# Altium PCB Air_Logger_PCB_ver2.PcbDoc (part 1 of 2)
Units mm, origin at the board's own origin, x right, y up, seen from the top; angles counter-clockwise.
Board outline 118.49 x 71.12 mm, 2 copper layers (Top Layer, Bottom Layer); 145 components, 85 nets, 471 pads, 157 vias.
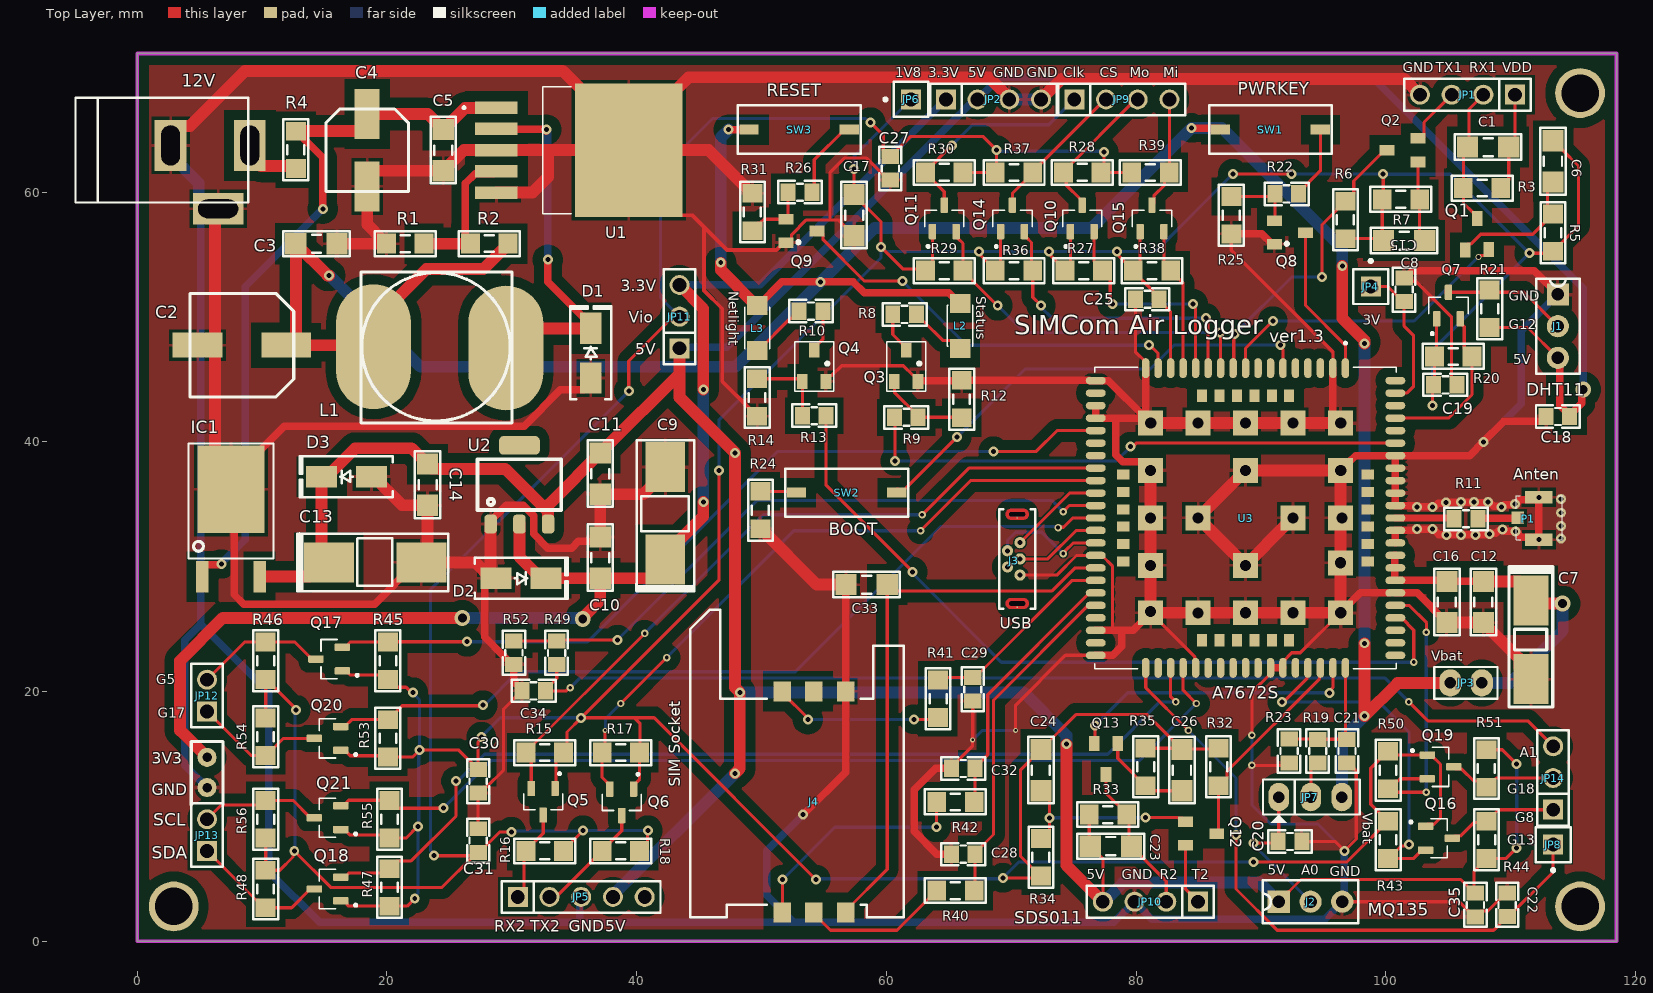
[diagram p0: Top Layer view]
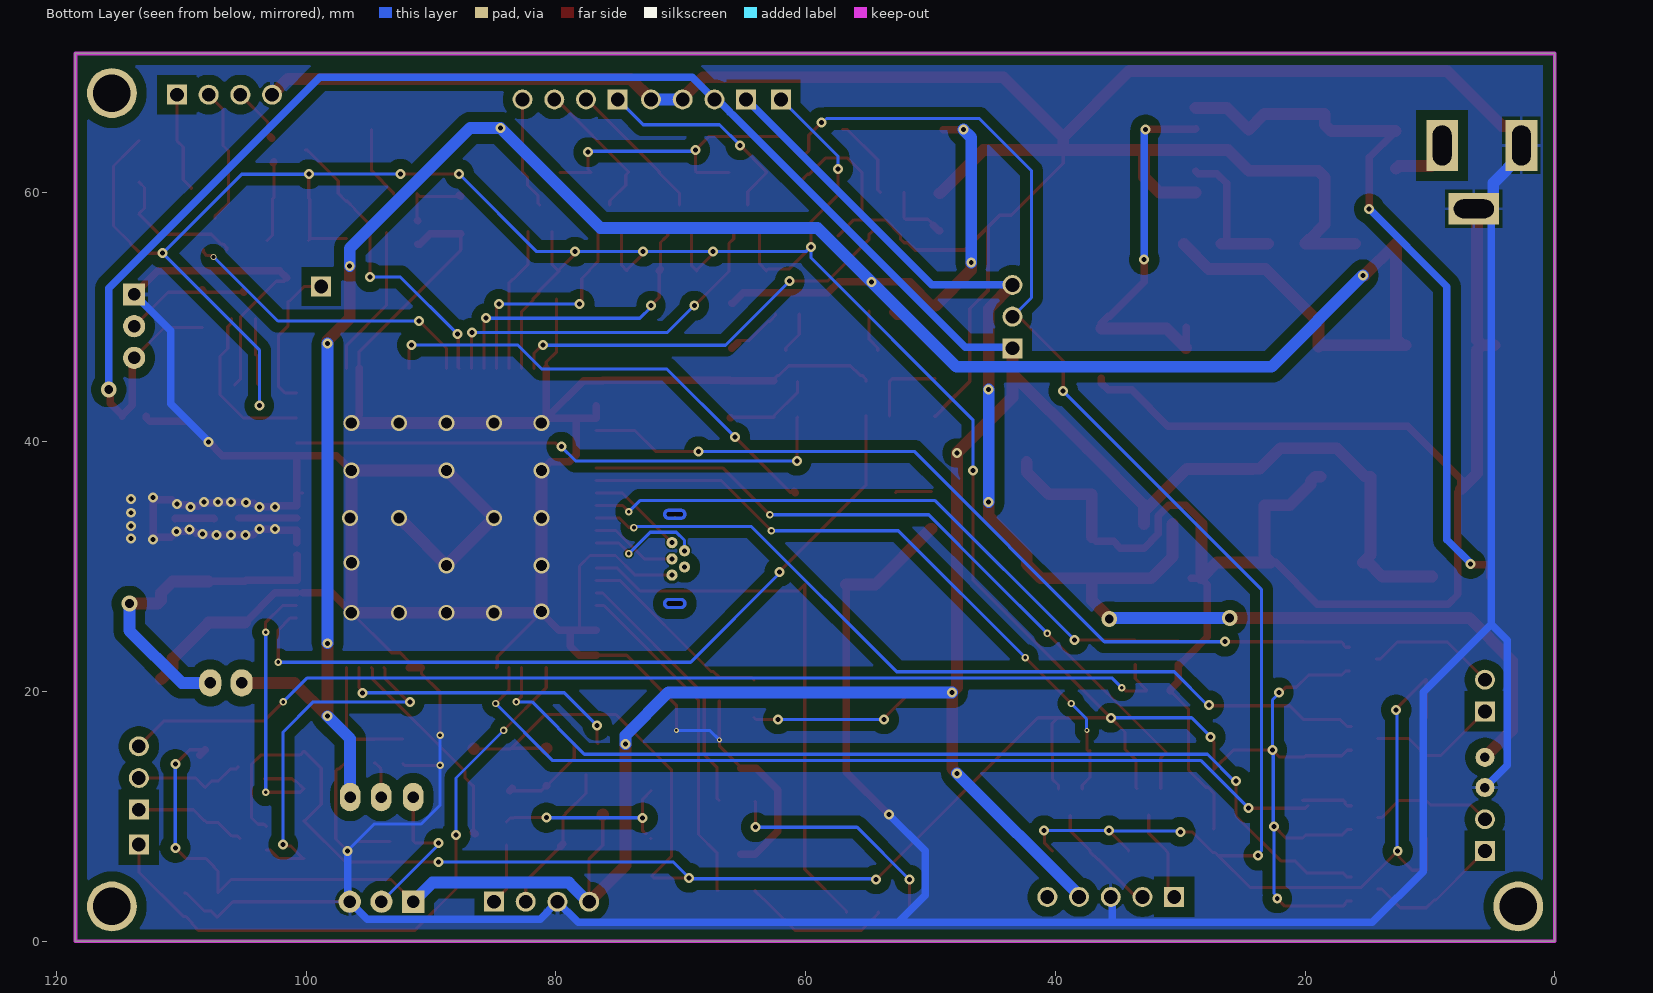
[diagram p1: Bottom Layer view, seen from below]
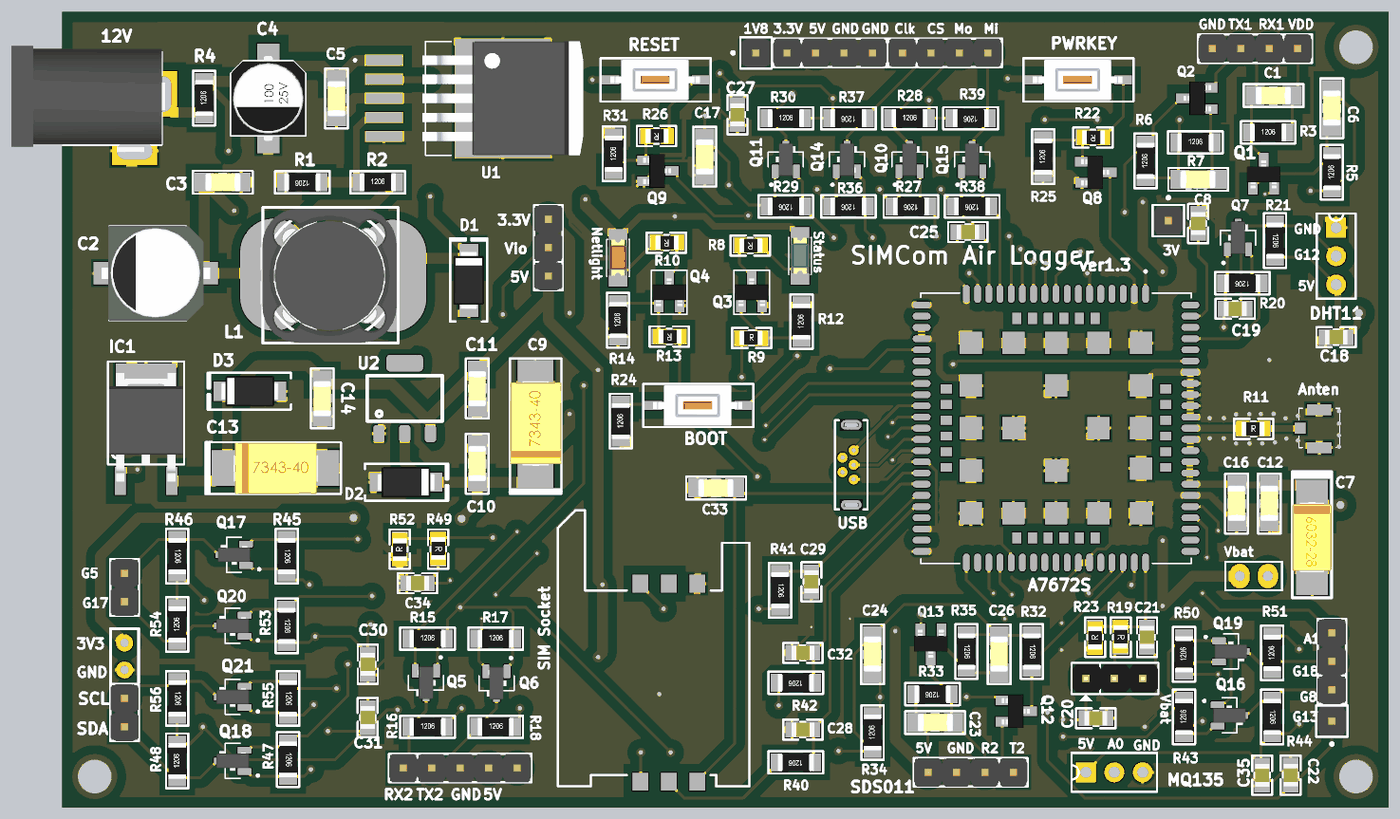
[diagram p3: 3D render of the assembled board from above, using the file's embedded part models]

## Layer stack, top to bottom
Top Solder: solder mask 0.0102, Solder Resist, Dk 3.5
Top Layer: signal copper 0.0356
Dielectric 1: dielectric 0.32, FR-4, Dk 4.8
Bottom Layer: signal copper 0.0356
Bottom Solder: solder mask 0.0102, Solder Resist, Dk 3.5

## Board outline
0,0 118.491,0 118.491,71.12 0,71.12

## Design rules (kind name [scope] priority, off if disabled: settings)
Clearance Anten [InNet('NetP1_1', 'NetR11_1')] p1: gap=0.2 ignorepadtopadclearanceinfootprint=FALSE
Clearance USB [InNet('USB_DN', 'USB_DP', 'VBUS')] p2: gap=0.127 ignorepadtopadclearanceinfootprint=FALSE
Clearance Polygon [InPolygon] p3: gap=0.8 ignorepadtopadclearanceinfootprint=FALSE
Clearance Space [All] p4: gap=0.2 ignorepadtopadclearanceinfootprint=FALSE
HoleSize [All] p1: absolutevalues=TRUE maxlimit=5 minlimit=0 maxpercent=80.000 minpercent=20.000
HoleToHoleClearance [All] p1: gap=0 allowstackedmicrovias=TRUE
MinimumSolderMaskSliver [All] p1: minsoldermaskwidth=0
PolygonConnect ViaGND [ViaDiameter] p1: connectstyle=Direct reliefconductorwidth=0.254 reliefentries=4 polygonreliefangle="90 Angle" airgapwidth=0.254
PolygonConnect [All] p2: connectstyle=Relief reliefconductorwidth=0.254 reliefentries=4 polygonreliefangle="90 Angle" airgapwidth=0.254
RoutingVias [All] p1: holewidth=0.4 width=0.8 viastyle="Through Hole" minholewidth=0.2 minwidth=0.4 maxholewidth=0.711 maxwidth=1.27
SilkToSilkClearance [All] p1: silktosilkclearance=0
SilkToSolderMaskClearance [IsPad] p1: minsilkscreentomaskgap=0 clearancetoexposedcopper=TRUE
SolderMaskExpansion [All] p1: expansion=0.102 istentingtop=FALSE
Width [All] p1: maxlimit=0.95 minlimit=0.254 preferedwidth=0.6
25 further rules are at their usual default settings.

## Components (designator, comment, footprint, x,y, rotation, side; value= is the part's Value field where it differs from the comment)
12V "JACK DC 5.5" "JACK DC 5.5" 5.842,61.214 r0 top value="Jac DC" (schematic designator "JACK DC1")
C1 "470pF" "tu 1206" 108.204,63.627 r180 top
C2 "470uF" "tu nhom 8 (f)" 8.382,47.752 r180 top
C3 "104" "tu 1206" 14.351,55.88 r0 top
C4 "100uF" "tu nhom 6.3 (d)" 18.415,63.373 r270 top
C5 "104" "tu 1206" 24.511,63.373 r270 top
C6 "102" "tu 1206" 113.411,62.484 r90 top
C7 "100uF" "tu tantalum smd6032" 111.633,24.155 r270 top
C8 "102" "tu 1206" 101.473,56.134 r180 top
C9 "220uF" "tu tantalum smd7343" 42.291,34.29 r90 top
C10 "104" "tu 1206" 37.084,30.734 r90 top
C11 "105" "tu 1206" 37.084,37.465 r270 top
C12 "10uF" "tu 1206" 107.823,27.178 r90 top
C13 "220uF" "tu tantalum smd7343" 19.05,30.353 r0 top
C14 "104" "tu 1206" 23.241,36.576 r270 top
C15 "104" "tu 0805" 101.473,52.197 r90 top
C16 "100nF" "tu 1206" 104.902,27.178 r90 top
C17 "104" "tu 1206" 57.404,58.166 r270 top
C18 "104" "tu 0805" 113.792,42.037 r180 top
C19 "104" "tu 0805" 104.775,44.577 r0 top
C20 "104" "tu 0805" 92.329,8.001 r0 top
C21 "105" "tu 0805" 96.901,15.24 r270 top
C22 "104" "tu 0805" 109.728,2.921 r90 top
C23 "470pF" "tu 1206" 77.978,7.62 r0 top
C24 "102" "tu 1206" 72.39,13.716 r90 top
C25 "104" "tu 0805" 80.899,51.435 r0 top
C26 "102" "tu 1206" 83.693,13.716 r90 top
C27 "104" "tu 0805" 60.322,61.911 r90 top
C28 "22pF" "tu 0805" 66.167,6.985 r180 top
C29 "22pF" "tu 0805" 66.929,20.193 r270 top
C30 "104" "tu 0805" 27.305,12.827 r270 top
C31 "104" "tu 0805" 27.302,8.063 r90 top
C32 "22pF" "tu 0805" 66.167,13.843 r180 top
C33 "104" "tu 1206" 58.42,28.575 r180 top
C34 "104" "tu 0805" 31.75,20.066 r0 top
C35 "104" "tu 0805" 107.188,2.921 r270 top
D1 "SS34" "DIODE SMA" 36.322,47.117 r90 top
D2 "SS34" "DIODE SMA" 30.734,29.083 r0 top
D3 "SS34" "DIODE SMA" 16.764,37.211 r180 top
IC1 "LM7805" TO-252 7.507,39.21 r0 top
J1 "CON3" CON3 113.792,51.816 r0 top
J2 "CON3" CON3 91.44,3.175 r90 top
J3 "USB Type B Mini" GCT_USB3106-XX-0230-X_REVB 70.485,30.634 r270 top
J4 "SIM Socket" GCT_SIM5051-6-0-18-00-X_REVF 52.832,11.176 r180 top
JP1 "JP 1x4 2.54" "JP 1x4 DT" 110.363,67.818 r180 top
JP2 "Power" "JP 1x4 DT" 64.77,67.437 r0 top
JP3 "Jumper 2" J2 107.696,20.701 r180 top value="JP 2"
JP4 "JP 1x1 2.54" "JP 1x1 DT" 98.806,52.451 r0 top
JP5 "UART2" "JP 1x5 DT" 30.48,3.556 r0 top
JP6 "1V8" "JP 1x1 DT" 61.976,67.437 r90 top
JP7 "JP 2-1_1" JP3 93.98,11.557 r0 top value=J2-1
JP8 "JP 1x1 2.54" "JP 1x1 DT" 113.411,7.747 r180 top
JP9 "SPI_IO" "JP 1x4 DT" 75.057,67.437 r0 top
JP10 "SDS Block" "JP 1x4 DT" 84.963,3.175 r180 top
JP11 "Level Voltage" "JP 1x3 DT" 43.434,47.498 r90 top
JP12 "GPIO" "JP 1x2 DT" 5.588,18.415 r90 top
JP13 "I2C_IO" "JP 1x2 DT" 5.588,7.239 r90 top
JP14 "Input Block" "JP 1x3 DT" 113.411,10.541 r90 top
L1 "68uH - 12x12x7" "Cuon Cam 12x12x10" 17.923,53.625 r270 top
L2 "LED 0805" LED-1206-Blue 65.913,51.105 r270 top
L3 "LED 0805" LED-1206-Red 49.657,50.927 r270 top
P1 "Antenna" IPXS 110.995,33.902 r180 top
Q1 "MMBT3904" "SOT23B C1815" 107.315,56.642 r0 top value=C1815
Q2 "MMBT3904" "SOT23B C1815" 101.346,63.373 r90 top value=C1815
Q3 "C1815" SOT23B 61.595,46.101 r0 top
Q4 "C1815" SOT23B 54.229,46.101 r0 top
Q5 "BSS138" SOT95P240X111-3N 32.512,11.176 r270 top
Q6 "BSS138" SOT95P240X111-3N 38.801,11.132 r270 top
Q7 "BSS138" SOT95P240X111-3N 105.029,50.927 r90 top
Q8 "C1815" SOT23B 92.329,56.769 r270 top
Q9 "C1815" SOT23B 53.213,56.896 r270 top
Q10 "BSS138" SOT95P240X111-3N 75.692,57.912 r90 top
Q11 "BSS138" SOT95P240X111-3N 64.643,57.912 r90 top
Q12 "MMBT3904" "SOT23B C1815" 85.217,8.636 r270 top value=C1815
Q13 "MMBT3904" "SOT23B C1815" 77.597,14.605 r180 top value=C1815
Q14 "BSS138" SOT95P240X111-3N 70.104,57.912 r90 top
Q15 "BSS138" SOT95P240X111-3N 81.28,57.912 r90 top
Q16 "BSS138" SOT95P240X111-3N 104.267,8.255 r0 top
Q17 "BSS138" SOT95P240X111-3N 15.367,22.606 r180 top
Q18 "BSS138" SOT95P240X111-3N 15.24,4.191 r180 top
Q19 "BSS138" SOT95P240X111-3N 104.394,13.97 r0 top
Q20 "BSS138" SOT95P240X111-3N 15.24,16.256 r180 top
Q21 "BSS138" SOT95P240X111-3N 15.24,9.906 r180 top
R1 "1k" "tro smd 1206" 21.463,55.88 r180 top
R2 "2.2k" "tro smd 1206" 28.194,55.88 r0 top
R3 "4.7k" "tro smd 1206" 107.72,60.325 r0 top
R4 "0R" "tro smd 1206" 12.7,63.397 r90 top
R5 "4.7k" "tro smd 1206" 113.411,56.769 r90 top
R6 "4.7k" "tro smd 1206" 96.774,57.785 r90 top
R7 "4.7k" "tro smd 1206" 101.219,59.436 r0 top
R8 "1k" "tro smd 0805" 61.468,50.165 r180 top
R9 "4.7k" "tro smd 0805" 61.595,42.037 r0 top
R10 "1k" "tro smd 0805" 53.975,50.419 r180 top
R11 "0R" "tro smd 0805" 106.426,33.909 r0 top
R12 "47k" "tro smd 1206" 66.04,43.434 r90 top
R13 "4.7k" "tro smd 0805" 54.229,42.037 r180 top
R14 "47k" "tro smd 1206" 49.657,43.561 r90 top
R15 "10k" "tro smd 1206" 32.639,15.113 r0 top
R16 "10k" "tro smd 1206" 32.639,7.239 r0 top
R17 "10k" "tro smd 1206" 38.735,15.113 r0 top
R18 "10k" "tro smd 1206" 38.735,7.239 r0 top
R19 "680k_1%" "Tro SMD 0805" 94.615,15.24 r270 top
R20 "10k" "tro smd 1206" 105.41,46.863 r180 top
R21 "10k" "tro smd 1206" 108.331,50.673 r270 top
R22 "4.7k" "tro smd 0805" 92.075,59.817 r180 top
R23 "470k_1%" "tro smd 0805" 92.202,15.24 r90 top
R24 "10k" "tro smd 1206" 49.911,34.544 r90 top
R25 "47k" "tro smd 1206" 87.63,58.166 r90 top
R26 "4.7k" "tro smd 0805" 53.086,59.944 r180 top
R27 "10k" "tro smd 1206" 75.819,53.721 r180 top
R28 "10k" "tro smd 1206" 75.692,61.595 r0 top
R29 "10k" "tro smd 1206" 64.643,53.721 r180 top
R30 "10k" "tro smd 1206" 64.643,61.595 r0 top
R31 "47k" "tro smd 1206" 49.276,58.42 r90 top
R32 "4.7k" "tro smd 1206" 86.614,13.97 r270 top
R33 "4.7k" "tro smd 1206" 77.748,10.16 r180 top
R34 "4.7k" "tro smd 1206" 72.39,6.731 r90 top
R35 "4.7k" "tro smd 1206" 80.772,13.97 r270 top
R36 "10k" "tro smd 1206" 70.231,53.721 r180 top
R37 "10k" "tro smd 1206" 70.231,61.595 r180 top
R38 "10k" "tro smd 1206" 81.28,53.721 r180 top
R39 "10k" "tro smd 1206" 81.153,61.595 r180 top
R40 "22R" "Tro smd 1206" 65.532,4.064 r180 top
R41 "22R" "Tro smd 1206" 64.135,19.431 r270 top
R42 "22R" "Tro smd 1206" 65.532,11.176 r180 top
R43 "10k" "tro smd 1206" 100.203,8.128 r90 top
R44 "10k" "tro smd 1206" 108.077,8.128 r270 top
R45 "10k" "tro smd 1206" 20.066,22.479 r270 top
R46 "10k" "tro smd 1206" 10.287,22.479 r270 top
R47 "10k" "tro smd 1206" 20.193,4.318 r270 top
R48 "10k" "tro smd 1206" 10.287,4.191 r90 top
R49 "680k" "Tro SMD 0805" 33.655,23.114 r270 top
R50 "10k" "tro smd 1206" 100.203,13.716 r90 top
R51 "10k" "tro smd 1206" 108.077,13.843 r90 top
R52 "470k" "tro smd 0805" 30.099,23.114 r90 top
R53 "10k" "tro smd 1206" 20.066,16.256 r270 top
R54 "10k" "tro smd 1206" 10.287,16.383 r90 top
R55 "10k" "tro smd 1206" 20.193,9.779 r270 top
R56 "10k" "tro smd 1206" 10.287,9.779 r270 top
SW1 "PWKEY" sw_ran_2pin 92.888,71.78 r0 top value="SW chip 2 pin"
SW2 "BOOT" sw_ran_2pin 58.953,42.697 r0 top value="SW chip 2 pin"
SW3 "RESET" sw_ran_2pin 55.143,71.78 r0 top value="SW chip 2 pin"
U1 "LM2596S-ADJ/NOPB" VREG_LM2596S-ADJ/NOPB 39.37,63.373 r0 top
U2 "AMS1117-3V3" AMS1117-3.3V 30.607,36.576 r90 top
U3 "A7672x" A7672 88.773,33.909 r270 top

## Footprints (in the part's own frame and the unit in brackets; to place one, negate y for a bottom-side part, rotate by r counter-clockwise, add the part's x,y. Pads: shape width x height; smd on the part's side, far side on the other; paste and mask are expansions set on the pad)
A7672 [mm]
  oval 1.6x0.6 smd: 1(-12,8) 2(-12,7) 3(-12,6) 4(-12,5) 5(-12,4) 6(-12,3) 7(-12,2) 8(-12,1) 9(-12,0) 10(-12,-1) 11(-12,-2) 12(-12,-3) 13(-12,-4) 14(-12,-5) 15(-12,-6) 16(-12,-7) 17(-12,-8) 35(12,-8) 36(12,-7) 37(12,-6) 38(12,-5) 39(12,-4) 40(12,-3) 41(12,-2) 42(12,-1) 43(12,0) 44(12,1) 45(12,2) 46(12,3) 47(12,4) 48(12,5) 49(12,6) 50(12,7) 51(12,8)
  oval 0.6x1.6 smd: 18(-8,-12) 19(-7,-12) 20(-6,-12) 21(-5,-12) 22(-4,-12) 23(-3,-12) 24(-2,-12) 25(-1,-12) 26(0,-12) 27(1,-12) 28(2,-12) 29(3,-12) 30(4,-12) 31(5,-12) 32(6,-12) 33(7,-12) 34(8,-12) 52(8,12) 53(7,12) 54(6,12) 55(5,12) 56(4,12) 57(3,12) 58(2,12) 59(1,12) 60(0,12) 61(-1,12) 62(-2,12) 63(-3,12) 64(-4,12) 65(-5,12) 66(-6,12) 67(-7,12) 68(-8,12) 89(-11.01,-12) 90(-10.01,-12) 91(-9,-12) 92(9,-12) 93(10,-12) 94(11,-12) 95(11,12) 96(10,12) 97(9,12) 98(-9.01,12) 99(-10.01,12) 100(-11.01,12)
  rect 2x2 smd: 69(-7.611,7.6) 70(-7.611,3.8) 71(-7.611,0) 72(-7.611,-3.8) 73(-7.611,-7.6) 74(-3.811,-7.6) 75(-0.011,-7.6) 76(3.789,-7.6) 77(7.589,-7.6) 78(7.589,-3.8) 79(7.589,0) 80(7.589,3.8) 81(7.589,7.6) 82(3.589,7.6) 83(-0.011,7.6) 84(-3.811,7.6) 85(-3.811,0) 86(-0.011,-3.8) 87(3.789,0) 88(-0.011,3.8)
  rect 1x0.8 smd: 101(-9.81,3.5) 102(-9.81,2.1) 103(-9.81,0.7) 104(-9.81,-0.7) 105(-9.81,-2.1) 106(-9.81,-3.5) 113(9.79,-3.5) 114(9.79,-2.1) 115(9.79,-0.7) 116(9.79,0.7) 117(9.79,2.1) 118(9.79,3.5)
  rect 0.8x1 smd: 107(-3.5,-9.8) 108(-2.1,-9.8) 109(-0.7,-9.8) 110(0.7,-9.8) 111(2.1,-9.8) 112(3.5,-9.8) 119(3.5,9.8) 120(2.1,9.8) 121(0.7,9.8) 122(-0.7,9.8) 123(-2.1,9.8) 124(-3.5,9.8)
  silkscreen extent -14.1,-12.07 12.08,12.08, body extent -12.04,-11.94 12.01,12.09, height 1.2
AMS1117-3.3V [mm] "SOT223, 4-Leads, Body 6.7x7.3mm (max), Pitch 2.30mm, IPC Medium Density"
  rrect50% 1.5x1 smd: 1(-3.15,2.3) 2(-3.15,0) 3(-3.15,-2.3)
  rrect50% 1.5x3.28 smd: 4(3.15,0)
  silkscreen extent -2.03,-3.35 2.03,3.35
CON3 [mil]
  rect 70x70 hole 39.37: 1(0,0)
  round 70 hole 39.37: 2(0,-100) 3(0,-200)
  silkscreen extent -68,-250 68,50
"Cuon Cam 12x12x10" [mm] "Cuon Cam 12x12x10"
  oval 10x6 smd: 1(6.1,11.6) 2(6,1)
  silkscreen extent 0,0 12.1,12.1, body extent 0.1,-0.2 12.1,12.14, height 7.51
"DIODE SMA" [mm] "SMA"
  rect 2.5x1.7 smd: 1(-2,0) 2(2,0)
  silkscreen extent -3.68,-1.65 3.75,1.65, body extent -2.6,-1.37 2.6,1.37, height 2.4
GCT_SIM5051-6-0-18-00-X_REVF [mm]
  rect 1.4x1.6 smd: C1(-3.9,8.85) C2(-1.36,8.85) C3(1.18,8.85) C5(-3.9,-8.85) C6(-1.36,-8.85) C7(1.18,-8.85)
  silkscreen extent -8.55,-15.4 8.55,9.25
GCT_USB3106-XX-0230-X_REVB [mm]
  round 0.9 hole 0.4: 1(-1.3,0.22) 2(-0.65,-0.78) 3(0,0.22) 4(0.65,-0.78) 5(1.3,0.22)
  rect 0.1x0.1 smd paste-1 mask+0: 6(-3.275,0) 7(3.875,0)
  round 0.35 hole 0.35 slot 1.27 at 90 deg unplated paste+0 mask+0.102: ""(-3.575,0)
  round 0.35 hole 0.35 slot 1.27 at 90 deg unplated mask+0.102: ""(3.575,0)
  Top Layer region: -3.553,0.924 -3.531,0.923 -3.509,0.92 -3.487,0.916 -3.465,0.911 -3.444,0.904 -3.423,0.897 -3.402,0.888 -3.382,0.879 -3.363,0.868 -3.344,0.856 -3.325,0.844 -3.308,0.83 -3.291,0.816 -3.274,0.801 -3.259,0.784 -3.245,0.767 -3.231,0.75 -3.219,0.731 -3.207,0.713 -3.196,0.693 -3.187,0.673 -3.178,0.652 -3.171,0.631 -3.164,0.61 -3.159,0.588 -3.155,0.566 -3.152,0.544 -3.151,0.522 -3.15,0.5 -3.15,0 -3.4,0 -3.4,0.5 -3.4,0.509 -3.401,0.518 -3.402,0.527 -3.404,0.536 -3.406,0.545 -3.409,0.554 -3.412,0.563 -3.415,0.571 -3.419,0.579 -3.423,0.587 -3.428,0.595 -3.433,0.603 -3.439,0.61 -3.445,0.617 -3.451,0.624 -3.458,0.63 -3.465,0.636 -3.472,0.642 -3.48,0.647 -3.487,0.652 -3.496,0.656 -3.504,0.66 -3.512,0.663 -3.521,0.666 -3.53,0.669 -3.539,0.671 -3.548,0.673 -3.557,0.674 -3.566,0.675 -3.575,0.675 -3.584,0.675 -3.593,0.674 -3.602,0.673 -3.611,0.671 -3.62,0.669 -3.629,0.666 -3.638,0.663 -3.646,0.66 -3.654,0.656 -3.662,0.652 -3.67,0.647 -3.678,0.642 -3.685,0.636 -3.692,0.63 -3.699,0.624 -3.705,0.617 -3.711,0.61 -3.717,0.603 -3.722,0.595 -3.727,0.587 -3.731,0.579 -3.735,0.571 -3.738,0.563 -3.741,0.554 -3.744,0.545 -3.746,0.536 -3.748,0.527 -3.749,0.518 -3.75,0.509 -3.75,0.5 -3.75,0 -4,0 -4,0.5 -3.999,0.522 -3.998,0.544 -3.995,0.566 -3.991,0.588 -3.986,0.61 -3.979,0.631 -3.972,0.652 -3.963,0.673 -3.954,0.693 -3.943,0.713 -3.931,0.731 -3.919,0.75 -3.905,0.767 -3.891,0.784 -3.876,0.801 -3.859,0.816 -3.842,0.83 -3.825,0.844 -3.806,0.856 -3.788,0.868 -3.768,0.879 -3.748,0.888 -3.727,0.897 -3.706,0.904 -3.685,0.911 -3.663,0.916 -3.641,0.92 -3.619,0.923 -3.597,0.924 -3.575,0.925
  Top Layer region: -3.15,-0.5 -3.151,-0.522 -3.152,-0.544 -3.155,-0.566 -3.159,-0.588 -3.164,-0.61 -3.171,-0.631 -3.178,-0.652 -3.187,-0.673 -3.196,-0.693 -3.207,-0.713 -3.219,-0.731 -3.231,-0.75 -3.245,-0.767 -3.259,-0.784 -3.274,-0.801 -3.291,-0.816 -3.308,-0.83 -3.325,-0.844 -3.344,-0.856 -3.363,-0.868 -3.382,-0.879 -3.402,-0.888 -3.423,-0.897 -3.444,-0.904 -3.465,-0.911 -3.487,-0.916 -3.509,-0.92 -3.531,-0.923 -3.553,-0.924 -3.575,-0.925 -3.597,-0.924 -3.619,-0.923 -3.641,-0.92 -3.663,-0.916 -3.685,-0.911 -3.706,-0.904 -3.727,-0.897 -3.748,-0.888 -3.768,-0.879 -3.788,-0.868 -3.806,-0.856 -3.825,-0.844 -3.842,-0.83 -3.859,-0.816 -3.876,-0.801 -3.891,-0.784 -3.905,-0.767 -3.919,-0.75 -3.931,-0.731 -3.943,-0.713 -3.954,-0.693 -3.963,-0.673 -3.972,-0.652 -3.979,-0.631 -3.986,-0.61 -3.991,-0.588 -3.995,-0.566 -3.998,-0.544 -3.999,-0.522 -4,-0.5 -4,0 -3.75,0 -3.75,-0.5 -3.75,-0.509 -3.749,-0.518 -3.748,-0.527 -3.746,-0.536 -3.744,-0.545 -3.741,-0.554 -3.738,-0.563 -3.735,-0.571 -3.731,-0.579 -3.727,-0.587 -3.722,-0.595 -3.717,-0.603 -3.711,-0.61 -3.705,-0.617 -3.699,-0.624 -3.692,-0.63 -3.685,-0.636 -3.678,-0.642 -3.67,-0.647 -3.662,-0.652 -3.654,-0.656 -3.646,-0.66 -3.638,-0.663 -3.629,-0.666 -3.62,-0.669 -3.611,-0.671 -3.602,-0.673 -3.593,-0.674 -3.584,-0.675 -3.575,-0.675 -3.566,-0.675 -3.557,-0.674 -3.548,-0.673 -3.539,-0.671 -3.53,-0.669 -3.521,-0.666 -3.512,-0.663 -3.504,-0.66 -3.496,-0.656 -3.487,-0.652 -3.48,-0.647 -3.472,-0.642 -3.465,-0.636 -3.458,-0.63 -3.451,-0.624 -3.445,-0.617 -3.439,-0.61 -3.433,-0.603 -3.428,-0.595 -3.423,-0.587 -3.419,-0.579 -3.415,-0.571 -3.412,-0.563 -3.409,-0.554 -3.406,-0.545 -3.404,-0.536 -3.402,-0.527 -3.401,-0.518 -3.4,-0.509 -3.4,-0.5 -3.4,0 -3.15,0